# Altium PCB PA_8CH_CTRL.PcbDoc (part 8 of 10) (continued)
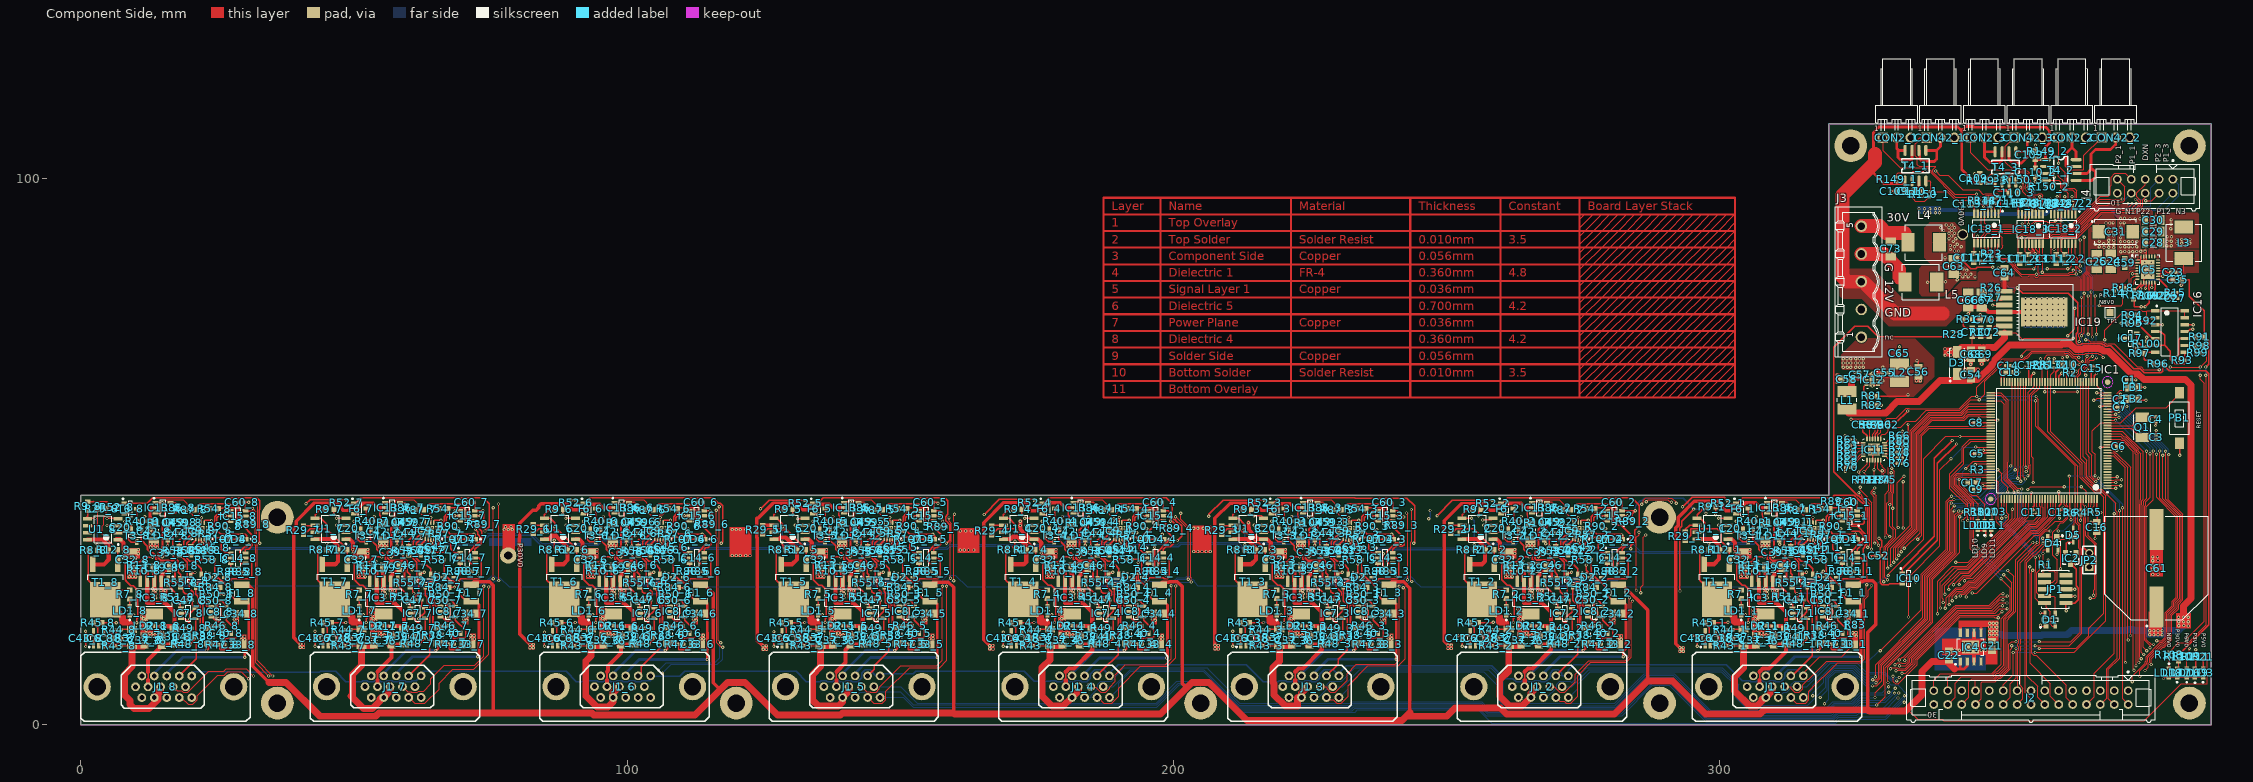
[diagram p0: Component Side view]
## Nets (pads, with @x,y where several pads share a name; then routed paths per layer and width w, separated by ;. In a path a pad name is that pad's centre, name@x,y a point inside that pad or via, vN(x,y) a via of type N, cw(c..) or ccw(c..) an arc to the next point about the centre after c; other vN are vias at no path point) (continued)
  Component Side w0.508: F1_4.2@196.555,22.63 198.277,22.63 198.958,21.949 198.958,12.421 v1(198.78,12.243)
  Solder Side w0.508: J1_4.13@183.258,8.98 186.521,12.243 v1(198.78,12.243)
P5V0MP_5: C34_5.2 F1_5.2 J1_5.13 R58_5.1 | length 38.6
  Component Side w0.254: R58_5.1@150.498,30.23 150.498,27.62 151.74,26.378 152.038,26.378 153.28,25.137 153.28,23.905 F1_5.2@154.555,22.63
  Component Side w0.508: F1_5.2@154.555,22.63 156.277,22.63 156.794,22.113 v1(156.794,12.319)
  Solder Side w0.508: J1_5.13@141.258,8.98 144.597,12.319 v1(156.794,12.319)
P5V0MP_6: C34_6.2 F1_6.2 J1_6.13 R58_6.1 | length 38.7
  Component Side w0.254: R58_6.1@108.498,30.23 108.498,27.62 109.74,26.378 110.027,26.378 111.28,25.125 111.28,23.905 F1_6.2@112.555,22.63
  Component Side w0.508: F1_6.2@112.555,22.63 114.277,22.63 114.681,22.226 114.681,16.932 114.706,16.907 114.706,16.087 114.727,16.066 114.727,15.481 114.71,15.464 114.71,13.839 114.681,13.809 v1(114.681,11.963)
  Solder Side w0.508: J1_6.13@99.258,8.98 102.241,11.963 v1(114.681,11.963)
P5V0MP_7: C34_7.2 F1_7.2 J1_7.13 R58_7.1 | length 38.6
  Component Side w0.254: R58_7.1@66.498,30.23 66.498,27.62 67.74,26.378 68.066,26.378 69.28,25.164 69.28,23.905 F1_7.2@70.555,22.63
  Component Side w0.508: F1_7.2@70.555,22.63 72.277,22.63 72.898,22.009 72.898,12.7 v1(72.669,12.471)
  Solder Side w0.508: J1_7.13@57.258,8.98 60.749,12.471 v1(72.669,12.471)
P5V0MP_8: C34_8.2 F1_8.2 J1_8.13 R58_8.1 | length 38
  Component Side w0.254: R58_8.1@24.498,30.201 24.498,27.591 25.74,26.349 25.8,26.349 26.794,25.355 26.794,24.62 27.28,24.134 27.28,23.876 F1_8.2@28.555,22.601
  Component Side w0.508: F1_8.2@28.555,22.601 30.277,22.601 30.759,22.118 30.759,13.859 30.023,13.122 v1(30.023,12.37)
  Solder Side w0.508: J1_8.13@15.258,8.951 18.677,12.37 v1(30.023,12.37)
P6V0_CH_1: C36_1.2 J1_1.7 R39_1.1 R48_1.2 | length 15.2
  Component Side w0.254: R39_1.1@312.16,14.731 312.235,14.806 R48_1.2@314.09,14.806
  Component Side w0.305: 307.321,9.723 307.321,8.237 307.323,8.235
  Component Side w0.762: 307.321,9.723 307.912,10.313 309.063,10.313 312.16,13.41 R39_1.1@312.16,14.731 309.51,14.731 C36_1.2@309.36,14.581 ; J1_1.7@307.323,7 307.323,8.235
P6V0_CH_2: C36_2.2 J1_2.7 R39_2.1 R48_2.2 | length 15
  Component Side w0.254: R39_2.1@269.16,14.731 269.235,14.806 R48_2.2@271.09,14.806
  Component Side w0.305: 264.321,8.237 264.321,9.723
  Component Side w0.762: 264.321,8.237 264.323,8.235 J1_2.7@264.323,7 ; 264.321,9.723 264.912,10.313 265.723,10.313 269.16,13.75 R39_2.1@269.16,14.731 266.51,14.731 C36_2.2@266.36,14.581
P6V0_CH_3: C36_3.2 J1_3.7 R39_3.1 R48_3.2 | length 15
  Component Side w0.254: R39_3.1@227.16,14.731 227.235,14.806 R48_3.2@229.09,14.806
  Component Side w0.305: 222.321,8.237 222.321,9.723
  Component Side w0.762: 222.321,8.237 222.323,8.235 J1_3.7@222.323,7 ; 222.321,9.723 222.912,10.313 223.711,10.313 227.16,13.762 R39_3.1@227.16,14.731 224.51,14.731 C36_3.2@224.36,14.581
P6V0_CH_4: C36_4.2 J1_4.7 R39_4.1 R48_4.2 | length 15.1
  Component Side w0.254: R39_4.1@185.16,14.731 185.235,14.806 R48_4.2@187.09,14.806
  Component Side w0.305: 180.321,8.237 180.321,9.723
  Component Side w0.762: 180.321,8.237 180.323,8.235 J1_4.7@180.323,7 ; 180.321,9.723 180.912,10.313 181.813,10.313 185.16,13.66 R39_4.1@185.16,14.731 182.51,14.731 C36_4.2@182.36,14.581
P6V0_CH_5: C36_5.2 J1_5.7 R39_5.1 R48_5.2 | length 13
  Component Side w0.254: R39_5.1@143.16,14.731 143.235,14.806 R48_5.2@145.09,14.806
  Component Side w0.305: 138.321,8.237 138.321,9.723
  Component Side w0.762: 138.321,8.237 138.323,8.235 J1_5.7@138.323,7 ; 138.321,9.723 140,11.402 140,13.75 140.981,14.731 R39_5.1@143.16,14.731
P6V0_CH_6: C36_6.2 J1_6.7 R39_6.1 R48_6.2 | length 13.4
  Component Side w0.254: R39_6.1@101.16,14.731 101.235,14.806 R48_6.2@103.09,14.806
  Component Side w0.305: 96.321,8.237 96.321,9.723
  Component Side w0.762: 96.321,8.237 96.323,8.235 J1_6.7@96.323,7 ; 96.321,9.723 96.5,9.902 96.5,10.75 98.91,13.16 C36_6.2@98.91,14.521 ; C36_6.2@98.36,14.581 98.51,14.731 R39_6.1@101.16,14.731
P6V0_CH_7: C36_7.2 J1_7.7 R39_7.1 R48_7.2 | length 13.4
  Component Side w0.254: R39_7.1@59.16,14.731 59.235,14.806 R48_7.2@61.09,14.806
  Component Side w0.305: 54.321,8.237 54.321,9.723
  Component Side w0.762: 54.321,8.237 54.323,8.235 J1_7.7@54.323,7 ; 54.321,9.723 56.91,12.311 C36_7.2@56.91,14.521 ; C36_7.2@56.36,14.581 56.51,14.731 R39_7.1@59.16,14.731
P6V0_CH_8: C36_8.2 J1_8.7 R39_8.1 R48_8.2 | length 14.7
  Component Side w0.254: 12.321,8.208 12.321,9.694 ; R39_8.1@17.16,14.702 17.235,14.777 R48_8.2@19.09,14.777
  Component Side w0.305: 12.321,8.208 12.321,6.973 J1_8.7@12.323,6.971
  Component Side w0.762: 12.321,8.208 12.323,8.206 J1_8.7@12.323,6.971 ; 12.321,9.694 12.321,11.904 C36_8.2@14.91,14.492 ; C36_8.2@14.36,14.552 14.51,14.702 R39_8.1@17.16,14.702
P6V5: C19_1.2 C19_2.2 C19_3.2 C19_4.2 C19_5.2 C19_6.2 C19_7.2 C19_8.2 C68.2 C69.2 C71.2 C72.2 D3.2 IC3_1.2 IC3_2.2 IC3_3.2 IC3_4.2 IC3_5.2 IC3_6.2 IC3_7.2 IC3_8.2 IC19.7 R30.2 R98.2 R109.1 | length 143.3
  Component Side w0.152: C68.2@346.275,69.125 C71.2@346.275,71.07 346.3,71.045 R30.2@347.825,71.045 349.275,71.045 C72.2@349.325,71.095 ; IC19.7@352.125,71.76 354.24,71.76 355.5,70.5 355.75,70.75 363.503,70.75 363.531,70.721 364.721,70.721 v2(364.749,70.75) ; v2(366.999,70.5) 367.5,70.5 367.838,70.162 370.09,70.162 370.281,69.971 370.546,69.971 370.851,69.666 370.904,69.666 371.029,69.791 372.209,69.791 376.488,65.512 377.147,65.512 377.659,65 v2(380.5,65) ; v2(382.499,65.5) v2(388,65.5) 389.144,66.644 389.144,68.937 R98.2@388.669,69.413 ; v2(385.5,15.5) 385.5,15.75 388.75,19 388.75,62.5 388,63.25 v2(388,64) ; R109.1@385.53,13.052 386,13.521 v2(386,14)
  Component Side w0.762: IC3_8.2@14.73,26.277 14.73,27.147 15.523,27.94 15.631,27.94 16.36,28.669 C19_8.2@16.36,28.777 ; IC3_7.2@56.73,26.306 56.73,27.176 57.523,27.969 57.631,27.969 58.36,28.698 C19_7.2@58.36,28.806 ; IC3_6.2@98.73,26.306 98.73,27.176 99.523,27.969 99.631,27.969 100.36,28.698 C19_6.2@100.36,28.806 ; IC3_5.2@140.73,26.306 140.73,27.176 141.523,27.969 141.631,27.969 142.36,28.698 C19_5.2@142.36,28.806 ; IC3_4.2@182.73,26.306 182.73,27.176 183.523,27.969 183.631,27.969 184.36,28.698 C19_4.2@184.36,28.806 ; IC3_3.2@224.73,26.306 224.73,27.176 225.523,27.969 225.631,27.969 226.36,28.698 C19_3.2@226.36,28.806 ; IC3_2.2@266.73,26.306 266.73,27.176 267.523,27.969 267.631,27.969 268.36,28.698 C19_2.2@268.36,28.806 ; IC3_1.2@309.73,26.306 309.73,27.176 310.523,27.969 310.631,27.969 311.36,28.698 C19_1.2@311.36,28.806
  Component Side w1.27: v2(341.85,68.175) D3.2@343.875,68.175 ; D3.2@343.425,68.175 344.3,69.05 347.7,69.05 C69.2@348,68.75 C69.2@348.337,69.087 ; 348.837,69.087 350.387,69.087 352.125,70.825 IC19.7@352.125,71.76
  Signal Layer 1 w0.152: v2(385.5,15.5) 385.5,14.5 v2(386,14)
  Solder Side w0.152: v2(364.749,70.75) 365.778,71.779 366.469,71.779 366.999,71.248 v2(366.999,70.5) ; v2(380.5,65) 382.5,65 ; 382.499,65.001 v2(382.499,65.5) ; v2(388,64) v2(388,65.5)
  other v1: 15.443,23.292 14.707,23.317 57.443,23.321 99.443,23.321 141.443,23.321 183.443,23.321 225.443,23.321 267.443,23.321 310.443,23.321 56.707,23.346 98.707,23.346 140.707,23.346 182.707,23.346 224.707,23.346 266.707,23.346 309.707,23.346 14.681,23.927 15.443,23.927 56.681,23.956 57.443,23.956 98.681,23.956 99.443,23.956 140.681,23.956 141.443,23.956 182.681,23.956 183.443,23.956 224.681,23.956 225.443,23.956 266.681,23.956 267.443,23.956 309.681,23.956 310.443,23.956 14.681,24.536 15.443,24.536 56.681,24.565 57.443,24.565 98.681,24.565 99.443,24.565 140.681,24.565 141.443,24.565 182.681,24.565 183.443,24.565 224.681,24.565 225.443,24.565 266.681,24.565 267.443,24.565 309.681,24.565 310.443,24.565
  other v2: 341.275,67.675 342.35,67.7 342.375,68.775 341.25,68.8
P12V0: C24.2 C25.2 C59.1 C64.2 C66.2 C67.2 C109_1.2 C109_2.2 C109_3.2 C110_1.2 C110_2.2 C110_3.2 IC5.3 IC5.4 IC19.1 J3.3 R26.2 R149_1.2 R149_2.2 R149_3.2 R150_1.2 R150_2.2 R150_3.2 T4_1.1 T4_1.3 T4_2.1 T4_2.3 T4_3.1 T4_3.3 | length 144.6
  Component Side w0.152: T4_1.1@333.875,99.5 T4_1.1@333.95,99.575 ; C110_1.2@335.475,97.725 335.425,97.675 335.425,96.275 335.825,95.875 337.575,95.875 338.375,96.675 R150_1.2@338.375,96.68 ; 353.225,100.475 353.45,100.7 354.975,100.7 355.405,100.27 R150_3.2@355.45,100.27
  Component Side w0.508: 328.15,102.675 328.15,101 330.05,99.1 333.475,99.1 333.875,99.5 C109_1.2@333.875,97.7 333.9,97.725 C110_1.2@335.475,97.725 336.49,98.74 T4_1.3@336.49,99.575 ; 328.15,104.475 328.15,108.45 329.125,109.425 343.662,109.425 344.322,108.765 ; R149_3.2@348.925,99.13 R149_3.2@349.045,99.25 ; 353.225,100.475 352.965,100.215 T4_3.3@352.965,99.325 353.025,99.265 C110_3.2@353.025,97.375 352.6,97.8 351.1,97.8 350.425,98.475 T4_3.1@350.425,99.325 350.35,99.25 R149_3.2@349.045,99.25 ; R150_2.2@360.72,98.475 361.275,99.03 v2(361.275,99.125) ; v2(361.275,100.25) 361.025,100.5 361.025,100.875 359.735,100.875 T4_2.3@359.675,100.935 358.84,100.935 C110_2.2@357.825,101.95 357.8,101.975 C109_2.2@357.8,103.55 357.875,103.475 T4_2.1@359.675,103.475 359.675,105.825 360.397,106.547 360.397,108.728 359.725,109.4 346.6,109.4 346.456,109.544 345.1,109.544 344.322,108.765 ; 344.322,108.765 344.322,101.678 346.75,99.25 R149_3.2@349.045,99.25
  Component Side w0.762: IC19.1@352.125,79.38 352.15,79.405 C64.2@352.15,81.85
  Component Side w2.54: 328.422,104.475 328.422,102.947 328.15,102.675 322.475,97 322.475,82 323.347,81.128 J3.3@325.958,81.128 326.247,81.128 332.1,75.275 340.775,75.275
  Solder Side w0.508: v2(361.275,99.125) v2(361.275,100.25)
P12V_1_1: CON2_1.2 T4_1.7 T4_1.8 | length 9.4
  Component Side w0.508: CON2_1.2@332.425,107.49 332.425,105.525 332.787,105.163 ; T4_1.8@333.95,105.163 332.787,105.163 ; T4_1.7@335.22,105.163 335.2,105.143 335.2,103.525 335.15,103.475 333.05,103.475 332.65,103.875 332.65,105.026 332.787,105.163
P12V_1_2: CON2_2.2 T4_2.7 T4_2.8 | length 10.2
  Component Side w0.508: CON2_2.2@364.525,107.515 364.525,105.663 ; T4_2.7@365.263,102.205 363.73,102.205 363.625,102.1 363.35,102.375 363.35,104.487 364.525,105.663 ; T4_2.8@365.263,103.475 365.263,104.925 364.525,105.663
P12V_1_3: CON2_3.2 T4_3.7 T4_3.8 | length 11
  Component Side w0.508: CON2_3.2@348.5,107.515 348.5,105.05 ; T4_3.8@350.425,104.913 348.637,104.913 348.5,105.05 ; T4_3.7@351.695,104.913 351.695,103.295 351.325,102.925 349.475,102.925 348.5,103.9 348.5,105.05
P12V_2_1: CON42_1.2 T4_1.5 T4_1.6 | length 11.3
  Component Side w0.508: T4_1.6@336.49,105.163 336.658,104.995 336.658,103.567 337,103.225 338.4,103.225 338.475,103.15 339.3,103.15 339.738,103.588 339.738,105.163 ; T4_1.5@337.76,105.163 339.738,105.163 ; CON42_1.2@340.425,107.49 340.425,105.85 339.738,105.163
P12V_2_2: CON42_2.2 T4_2.5 T4_2.6 | length 18
  Component Side w0.508: T4_2.5@365.263,99.665 368.115,99.665 368.775,100.325 368.775,101.2 368.275,101.7 368,101.7 ; T4_2.6@365.263,100.935 367.235,100.935 368,101.7 ; CON42_2.2@372.525,107.515 372.525,106.275 371.55,105.3 368.8,105.3 368,104.5 368,101.7
P12V_2_3: CON42_3.2 T4_3.5 T4_3.6 | length 11.2
  Component Side w0.508: T4_3.6@352.965,104.913 352.965,103.51 353.625,102.85 355.275,102.85 356.3,103.875 356.3,104.9 ; T4_3.5@354.235,104.913 356.287,104.913 356.3,104.9 ; CON42_3.2@356.5,107.515 356.3,107.315 356.3,104.9
P29V0_CH_1: C37_1.2 J1_1.2 J1_1.8 R37_1.1 R43_1.2 | length 23.5
  Component Side w0.254: R43_1.2@302.455,14.478 302.479,14.502 R37_1.1@304.398,14.502
  Component Side w1.27: C37_1.2@306.684,14.594 306.592,14.502 R37_1.1@304.398,14.502 304.398,10.398 302.75,8.75 302.75,6.203 305.52,3.433 306.836,3.433 307.765,4.362 307.765,4.75 308.194,4.75 J1_1.2@308.464,5.02 309.609,6.165 J1_1.8@309.609,7
P29V0_CH_2: C37_2.2 J1_2.2 J1_2.8 R37_2.1 R43_2.2 | length 23.8
  Component Side w0.254: R43_2.2@259.455,14.478 259.479,14.502 R37_2.1@261.398,14.502
  Component Side w1.27: C37_2.2@263.684,14.594 263.592,14.502 R37_2.1@261.398,14.502 261.398,9.898 259.75,8.25 259.75,5.25 261.567,3.433 263.836,3.433 265.423,5.02 J1_2.2@265.464,5.02 265.464,5.855 J1_2.8@266.609,7
P29V0_CH_3: C37_3.2 J1_3.2 J1_3.8 R37_3.1 R43_3.2 | length 23.7
  Component Side w0.254: R43_3.2@217.455,14.478 217.479,14.502 R37_3.1@219.398,14.502
  Component Side w1.27: C37_3.2@221.684,14.594 221.592,14.502 R37_3.1@219.398,14.502 219.398,11.648 218.25,10.5 218.25,7.75 218.45,7.55 218.45,5.504 220.52,3.433 222.765,3.433 222.765,5.02 J1_3.2@223.464,5.02 223.464,5.855 J1_3.8@224.609,7
P29V0_CH_4: C37_4.2 J1_4.2 J1_4.8 R37_4.1 R43_4.2 | length 23.4
  Component Side w0.254: R43_4.2@175.455,14.478 175.479,14.502 R37_4.1@177.398,14.502
  Component Side w1.27: C37_4.2@179.684,14.594 179.592,14.502 R37_4.1@177.398,14.502 177.398,11.898 176,10.5 176,5.25 177.817,3.433 179.836,3.433 181.423,5.02 J1_4.2@181.464,5.02 182.609,6.165 J1_4.8@182.609,7
P29V0_CH_5: C37_5.2 J1_5.2 J1_5.8 R37_5.1 R43_5.2 | length 24.3
  Component Side w0.254: R43_5.2@133.455,14.478 133.479,14.502 R37_5.1@135.398,14.502
  Component Side w1.27: C37_5.2@137.684,14.594 137.592,14.502 R37_5.1@135.398,14.502 135.398,10.648 134,9.25 134,4.5 135.067,3.433 138.683,3.433 139.464,4.214 J1_5.2@139.464,5.02 140.609,6.165 J1_5.8@140.609,7
P29V0_CH_6: C37_6.2 J1_6.2 J1_6.8 R37_6.1 R43_6.2 | length 25.5
  Component Side w0.254: R43_6.2@91.455,14.478 91.479,14.502 R37_6.1@93.398,14.502
  Component Side w1.27: C37_6.2@95.684,14.594 95.592,14.502 R37_6.1@93.398,14.502 93.398,12.648 92.45,11.7 92.45,5.3 94.5,3.25 96.5,3.25 97.464,4.214 J1_6.2@97.464,5.02 97.464,5.855 ; 97.464,5.855 J1_6.8@98.609,7 98.456,7.153 98.29,6.986 97.91,6.986 97.91,6.342 97.464,5.896 97.464,5.855
P29V0_CH_7: C37_7.2 J1_7.2 J1_7.8 R37_7.1 R43_7.2 | length 24.7
  Component Side w0.254: R43_7.2@49.455,14.478 49.479,14.502 R37_7.1@51.398,14.502
  Component Side w1.27: C37_7.2@53.684,14.594 53.592,14.502 R37_7.1@51.398,14.502 51.398,10.898 49.75,9.25 49.75,5.5 49.5,5.25 51.75,3 53.403,3 54.765,4.362 54.765,4.765 55.02,5.02 J1_7.2@55.464,5.02 56.609,6.165 J1_7.8@56.609,7
P29V0_CH_8: C37_8.2 J1_8.2 J1_8.8 R37_8.1 R43_8.2 | length 26.5
  Component Side w0.254: R43_8.2@7.455,14.449 7.479,14.473 R37_8.1@9.398,14.473
  Component Side w1.27: C37_8.2@11.684,14.565 11.592,14.473 R37_8.1@9.398,14.473 9.398,10.648 8,9.25 8,5.5 9,4.5 9,3.75 9.75,3 12.5,3 14.163,4.663 14.163,5.69 ; J1_8.2@13.464,4.991 14.163,5.69 ; J1_8.8@14.609,6.971 14.609,6.136 ; 14.163,5.69 14.163,6.095 14.568,6.095 ; 14.163,5.69 14.568,6.095 ; 14.568,6.095 14.609,6.095 14.609,6.136 ; 14.568,6.095 14.609,6.136
P30V0: C32_1.2 C32_2.2 C32_3.2 C32_4.2 C32_5.2 C32_6.2 C32_7.2 C32_8.2 C63.2 L4.2 pad.9 pad.12 R96.2 R110.2 U1_1.1 U1_2.1 U1_3.1 U1_4.1 U1_5.1 U1_6.1 U1_7.1 U1_8.1 | length 149.6
  Component Side w0.254: C63.2@342.875,85.325 344.175,85.325 346,83.5 346.921,83.5 347.171,83.75 v2(350,83.75) ; v2(354.5,80) 355.5,79 363.819,79 365.579,77.24 365.579,71.83 365.329,71.579 365.329,70.51 365.239,70.42 365.239,69.94 365.579,69.601 366.088,69.601 366.294,69.806 369.943,69.806 370.134,69.616 370.399,69.616 370.704,69.311 371.061,69.311 371.186,69.435 371.565,69.435 375.844,65.156 377,65.156 377.735,64.421 380.74,64.421 381.079,64.76 R96.2@381.079,66.071 ; R96.2@381.075,66.075 R96.2@381.079,66.071 ; R110.2@384.029,13.081 384.331,13.081 385.421,14.17 385.421,14.24 385.76,14.579 385.83,14.579 389.579,18.329 389.579,64.24 388.969,64.85 382.3,64.85 R96.2@381.079,66.071
  Component Side w0.762: U1_8.1@6.535,33.972 7.176,33.972 7.823,33.325 v1(7.823,32.08) ; U1_7.1@48.535,34.001 49.176,34.001 49.823,33.354 v1(49.823,32.109) ; U1_6.1@90.535,34.001 91.176,34.001 91.823,33.354 v1(91.823,32.109) ; U1_5.1@132.535,34.001 133.176,34.001 133.823,33.354 v1(133.823,32.109) ; v2(172,37.25) v2(172,36.5) 171.98,36.5 171.98,36.196 172,36.176 172,35.75 173.749,34.001 U1_4.1@174.535,34.001 175.176,34.001 175.823,33.354 v1(175.823,32.109) ; v2(213.75,37) 213.75,36.179 213.833,36.095 213.833,35.667 215.5,34 215.501,34.001 U1_3.1@216.535,34.001 217.176,34.001 217.823,33.354 v1(217.823,32.109) ; U1_2.1@258.535,34.001 259.176,34.001 259.823,33.354 v1(259.823,32.109) ; U1_1.1@301.535,34.001 302.176,34.001 302.823,33.354 v1(302.823,32.109)
  Solder Side w0.254: v2(350,83.75) 350,83 353,80 v2(354.5,80)
  Solder Side w0.762: v2(172,36.5) v2(172,37.25)
  other v1: 10.109,30.632 9.271,30.658 52.109,30.661 94.109,30.661 136.109,30.661 178.109,30.661 262.109,30.661 8.534,30.683 51.271,30.687 93.271,30.687 135.271,30.687 177.271,30.687 220.116,30.683 261.271,30.687 305.105,30.683 50.534,30.712 92.534,30.712 134.534,30.712 176.534,30.712 218.534,30.712 219.278,30.709 260.534,30.712 303.534,30.712 304.267,30.709 7.798,30.734 49.798,30.763 91.798,30.763 133.798,30.763 175.798,30.763 217.798,30.763 259.798,30.763 302.798,30.763 10.516,31.344 52.516,31.373 94.516,31.373 136.516,31.373 178.516,31.373 220.516,31.373 262.516,31.373 305.516,31.373 7.823,31.42 49.823,31.449 91.823,31.449 133.823,31.449 175.823,31.449 217.823,31.449 259.823,31.449 302.823,31.449 10.516,32.055 52.516,32.084 94.516,32.084 136.516,32.084 178.516,32.084 220.516,32.084 262.516,32.084 305.516,32.084
  other v2: 119.25,31 120,31 120.75,31 121.75,31 122.5,31 203.75,31.75 204.5,31.75 205.25,31.75 206,31.75 206.75,31.75 161,32 161.75,32 162.5,32 163.5,32 161,35.5 162,35.5 163,35.5 164.25,35.5 77.5,35.75 78.25,35.75 79,35.75 119.25,35.75 120,35.75 120.75,35.75 121.75,35.75 122.5,35.75 203.75,36 204.5,36 205.5,36 206.5,36 77.75,36.25 78.75,36.25 341.25,84.75 344.25,84.75 341.25,85.5 344.25,85.75 343,86.75 343.75,86.75 342.25,87 343,87.5 344.25,87.5 342.25,87.75 343.5,88 342.75,88.5 342,89 343.25,89 342.5,89.5 342,90 343,90 341,90.5 342.5,90.5 340.5,91 342,91 343,91 341.5,91.5 342.5,91.5
PA_CH_RESETN: IC1.140 IC9_1.1 IC9_2.1 IC9_3.1 IC9_4.1 IC9_5.1 IC9_6.1 IC9_7.1 IC9_8.1 | length 381.6
  Component Side w0.152: v1(23.292,33.96) 23.317,33.96 23.319,33.962 IC9_8.1@23.319,34.781 ; v1(65.278,33.884) 65.329,33.934 65.329,34.8 IC9_7.1@65.319,34.81 ; v1(107.213,33.858) 107.213,34.704 IC9_6.1@107.319,34.81 ; v1(149.2,33.909) 149.2,34.691 IC9_5.1@149.319,34.81 ; v1(191.287,33.858) 191.287,34.778 IC9_4.1@191.319,34.81 ; v1(233.274,33.757) 233.299,33.782 233.299,34.79 IC9_3.1@233.319,34.81 ; v1(275.285,33.934) 275.319,33.968 IC9_2.1@275.319,34.81 ; v1(318.292,33.892) 318.292,34.773 318.287,34.778 IC9_1.1@318.319,34.81 ; v1(343.25,29.75) 345.534,29.75 353.593,37.81 353.593,39.446 v1(353.619,39.472) ; v1(356.413,43.104) 356.921,43.612 v1(363.093,43.612) ; v1(366.192,43.612) 367.074,42.729 IC1.140@367.074,41.345
  Signal Layer 1 w0.152: v1(319.938,36.093) 321.579,36.093 321.934,36.448 322.372,36.448 323.348,35.471 323.969,35.471 324.743,36.246 330.276,36.246 331.343,37.313 335.937,37.313 343.25,30 v1(343.25,29.75) ; v1(353.619,39.472) 353.619,40.31 v1(356.413,43.104)
  Solder Side w0.152: v1(23.292,33.96) 23.292,33.838 24.659,32.471 48.727,32.471 50.342,34.086 56.332,34.086 56.534,33.884 61.863,33.884 62.087,33.66 62.525,33.66 62.545,33.679 63.473,33.679 63.675,33.881 v1@65.278,33.881 ; v1(65.278,33.884) v1@65.278,33.881 ; v1(275.285,33.934) v1@275.285,33.874 ; v1(319.938,36.093) 319.938,34.008 319.264,33.333 318.826,33.333 318.292,33.867 v1(318.292,33.892) 318.28,33.904 315.5,33.904 315.154,33.558 314.716,33.558 314.406,33.868 314.406,33.919 314.239,34.086 306.729,34.086 306.075,33.431 301.681,33.431 300,31.75 285.497,31.75 284.218,33.029 283.78,33.029 283.223,32.471 276.688,32.471 v1@275.285,33.874 ; v1(363.093,43.612) v1(366.192,43.612) ; v1@65.278,33.881 65.906,33.253 72.751,33.253 74.603,35.106 82.545,35.106 84.397,33.253 94.493,33.253 95.325,34.086 98.332,34.086 98.61,33.807 102.464,33.807 102.764,33.507 104.45,33.507 104.8,33.858 v1(107.213,33.858) 108.6,32.471 128.189,32.471 129.051,33.333 136.178,33.333 136.93,34.086 142.293,34.086 142.573,33.806 144.756,33.806 145.059,33.503 146.558,33.503 146.964,33.909 v1(149.2,33.909) 150.637,32.471 158.469,32.471 159.073,33.076 178.389,33.076 179.399,34.086 182.332,34.086 182.611,33.806 186.564,33.806 186.914,33.457 188.524,33.457 189.022,33.955 191.191,33.955 v1(191.287,33.858) 191.812,33.333 196.07,33.333 196.183,33.447 198.805,33.447 199.281,32.971 200.719,32.971 201.195,33.447 211.88,33.447 212.862,32.465 213.3,32.465 214.282,33.447 220.366,33.447 221.004,34.086 224.332,34.086 224.611,33.806 228.703,33.806 229.002,33.507 230.343,33.507 230.689,33.853 233.177,33.853 v1(233.274,33.757) 234.579,32.451 255.286,32.451 256.168,33.333 262.467,33.333 263.219,34.086 271.262,34.086 271.739,33.609 272.177,33.609 272.497,33.93 275.229,33.93 v1@275.285,33.874
PA_SIG_GND: J1_1.15 J1_2.15 J1_3.15 J1_4.15 J1_5.15 J1_6.15 J1_7.15 J1_8.15 R83.2 | length 336
  Component Side w0.152: J1_1.15@314.83,8.98 318.35,12.5 322.32,12.5 323.925,14.105 323.925,15.966 323.855,16.037 323.855,17.531 324.142,17.818 R83.2@324.815,17.818
  Solder Side w0.254: J1_8.15@19.83,8.951 20.629,9.75 29.148,9.75 29.221,9.677 43.75,9.677 43.852,9.779 46.645,9.779 48.5,7.925 51.435,7.925 51.59,8.079 52.484,8.079 52.663,7.901 53.625,7.901 53.804,8.079 54.77,8.079 54.949,7.901 55.911,7.901 56.09,8.079 57.056,8.079 57.235,7.901 58.197,7.901 58.376,8.079 59.342,8.079 59.521,7.901 60.483,7.901 60.662,8.079 61.421,8.079 J1_7.15@62.322,8.98 ; 62.629,9.779 88.871,9.779 90.75,7.901 92.6,7.901 92.779,8.079 94.552,8.079 94.731,7.901 95.697,7.901 95.876,8.079 96.838,8.079 97.017,7.901 97.983,7.901 98.162,8.079 99.124,8.079 99.303,7.901 100.269,7.901 100.448,8.079 101.41,8.079 101.589,7.901 102.555,7.901 102.734,8.079 104.322,8.079 J1_6.15@104.322,8.98 104.433,8.869 109.682,8.869 110.592,9.779 130.962,9.779 132.841,7.901 135.411,7.901 135.59,8.079 136.484,8.079 136.663,7.901 137.697,7.901 137.876,8.079 138.77,8.079 138.949,7.901 139.983,7.901 140.162,8.079 141.056,8.079 141.235,7.901 142.197,7.901 142.957,8.66 142.957,9.427 143.589,10.059 144.483,10.059 145.563,8.98 145.83,8.98 146.197,9.347 152.413,9.347 152.846,9.779 172.721,9.779 174.499,8.001 177.511,8.001 177.59,8.079 178.484,8.079 178.663,7.901 179.625,7.901 179.804,8.079 180.77,8.079 180.949,7.901 181.911,7.901 182.09,8.079 183.056,8.079 183.235,7.901 184.197,7.901 184.829,8.533 184.829,9.3 185.589,10.059 187.243,10.059 J1_4.15@188.076,9.226 ; J1_4.15@188.322,8.98 J1_4.15@188.076,9.226 ; J1_3.15@230.322,8.98 J1_3.15@230.076,9.226 ; J1_1.15@315.322,8.98 314.243,10.059 312.589,10.059 311.957,9.427 311.957,8.588 311.269,7.901 310.235,7.901 310.056,8.079 309.162,8.079 308.983,7.901 307.949,7.901 307.77,8.079 306.876,8.079 306.697,7.901 305.663,7.901 305.484,8.079 304.188,8.079 301.244,11.024 273.324,11.024 272.322,10.022 J1_2.15@272.322,8.98 271.115,8.98 271.115,9.427 270.483,10.059 269.589,10.059 268.957,9.427 268.957,8.66 268.197,7.901 267.303,7.901 267.124,8.079 266.162,8.079 265.983,7.901 265.017,7.901 264.838,8.079 263.876,8.079 263.697,7.901 262.731,7.901 262.155,8.477 260.58,8.477 258.262,10.795 231.645,10.795 J1_3.15@230.076,9.226 ; J1_4.15@188.076,9.226 189.899,11.049 213.352,11.049 216.5,7.901 219.175,7.901 219.354,8.079 220.552,8.079 220.731,7.901 221.697,7.901 221.876,8.079 222.838,8.079 223.017,7.901 223.983,7.901 224.162,8.079 225.124,8.079 225.303,7.901 226.197,7.901 226.829,8.533 226.829,9.3 227.589,10.059 229.243,10.059 J1_3.15@230.076,9.226
PGOOD_N7V5: IC1.57 IC5.8 R25.2 TP1.1 | length 35.7
  Component Side w0.152: IC1.57@359.074,62.745 359.074,64.956 R25.2@358.75,65.28 358.78,65.28 359.5,66 359.5,67.25 360,67.75 362.25,67.75 362.279,67.779 362.969,67.779 362.998,67.75 363.306,67.75 v2(363.653,67.403) ; v2(363.75,71.25) 365,72.5 v2(365,76.25) ; v2(369.499,76.75) 371.5,76.75 373.5,76.75 373.8,77.05 373.8,79.3 374.012,79.512 374.739,79.512 374.873,79.646 374.873,79.912 375.169,80.209 375.236,80.209 375.891,80.864 375.891,81.295 IC5.8@376.198,81.603 ; TP1.1@371.5,75.5 371.5,76.749
  Component Side w0.254: IC5.8@376.198,81.603 IC5.8@376.48,81.603
  Solder Side w0.152: v2(363.653,67.403) 363.653,71.153 v2(363.75,71.25) ; v2(365,76.25) 365,76.5 365.25,76.75 ; 365.25,76.75 v2(369.499,76.75)
PWM1_1: IC18_1.1 R149_1.1 T4_1.2 | length 26.7
  Component Side w0.152: R149_1.1@332.45,100.32 332.425,100.345 332.425,100.825 332.695,101.095 335.22,101.095 ; T4_1.2@335.22,99.575 335.22,101.095 ; v2(337.6,101.3) 335.425,101.3 335.22,101.095 ; v2(339.55,101.4) 340.3,100.65 341.825,100.65 344.55,97.925 347.4,97.925 348.2,97.125 348.397,97.125 348.535,97.263 350.931,97.263 351.45,96.744 351.45,93.953 IC18_1.1@351.047,93.55
  Solder Side w0.152: v2(337.6,101.3) 337.7,101.4 v2(339.55,101.4)
PWM1_2: IC18_2.1 R149_2.1 T4_2.2 | length 17.2
  Component Side w0.152: T4_2.2@359.675,102.205 361.225,102.205 ; R149_2.1@360.42,104.975 361.025,104.975 361.225,104.775 361.225,102.205 ; IC18_2.1@365.123,93.5 365.123,95.213 365.405,95.495 365.405,97.745 364.904,98.246 363.356,98.246 363.046,98.556 363.046,98.994 363.27,99.218 363.27,101.077 362.143,102.205 361.225,102.205
PWM1_3: IC18_3.1 R149_3.1 T4_3.2 | length 19.3
  Component Side w0.152: R149_3.1@348.925,100.07 349.7,100.845 351.695,100.845 ; T4_3.2@351.695,99.325 351.695,100.845 ; IC18_3.1@359.148,93.45 359.154,93.456 359.154,96.919 358.844,97.229 358.406,97.229 358.199,97.021 357.006,97.021 356.039,97.989 356.039,98 355.939,98.1 355.939,98.574 356.045,98.68 356.045,100.78 355.725,101.1 351.95,101.1 351.695,100.845
PWM2_1: IC18_1.3 R150_1.1 T4_1.4 | length 17.1
  Component Side w0.152: T4_1.4@337.76,99.575 338.45,99.575 338.675,99.35 338.675,97.92 R150_1.1@338.375,97.62 341.655,97.62 343.2,96.075 345.215,96.075 345.473,96.333 345.911,96.333 346.065,96.179 346.695,96.179 346.798,96.075 347.121,96.075 347.121,95.881 347.431,95.571 347.625,95.571 348.25,94.946 348.25,94.8 v2(348.325,94.875) ; v2(349.75,94.75) 349.777,94.723 IC18_1.3@349.777,93.55
  Solder Side w0.152: v2(348.325,94.875) 348.45,94.75 v2(349.75,94.75)
PWM2_2: IC18_2.3 R150_2.1 T4_2.4 | length 10.7
  Component Side w0.152: R150_2.1@359.78,98.475 359.675,98.58 T4_2.4@359.675,99.665 362.06,99.665 362.437,99.288 362.437,98.304 363.104,97.637 363.42,97.637 363.853,97.204 IC18_2.3@363.853,93.5
PWM2_3: IC18_3.3 R150_3.1 T4_3.4 | length 8.9
  Component Side w0.152: T4_3.4@354.235,99.325 355.275,99.325 355.621,98.979 355.621,97.993 355.52,97.892 355.52,97.595 356.399,96.717 357.733,96.717 357.878,96.572 IC18_3.3@357.878,93.45